# Altium PCB PCB v0.2.PcbDoc (part 1 of 2)
Units mm, origin at the board's own origin, x right, y up, seen from the top; angles counter-clockwise.
Board outline 36.5 x 36.5 mm, 8 copper layers (Top, GND Top, Signal 1, Signal 2/GND, Power, Signal 3, GND Bottom, Bottom), stack 1.211 mm thick; 151 components, 96 nets, 487 pads, 505 vias.
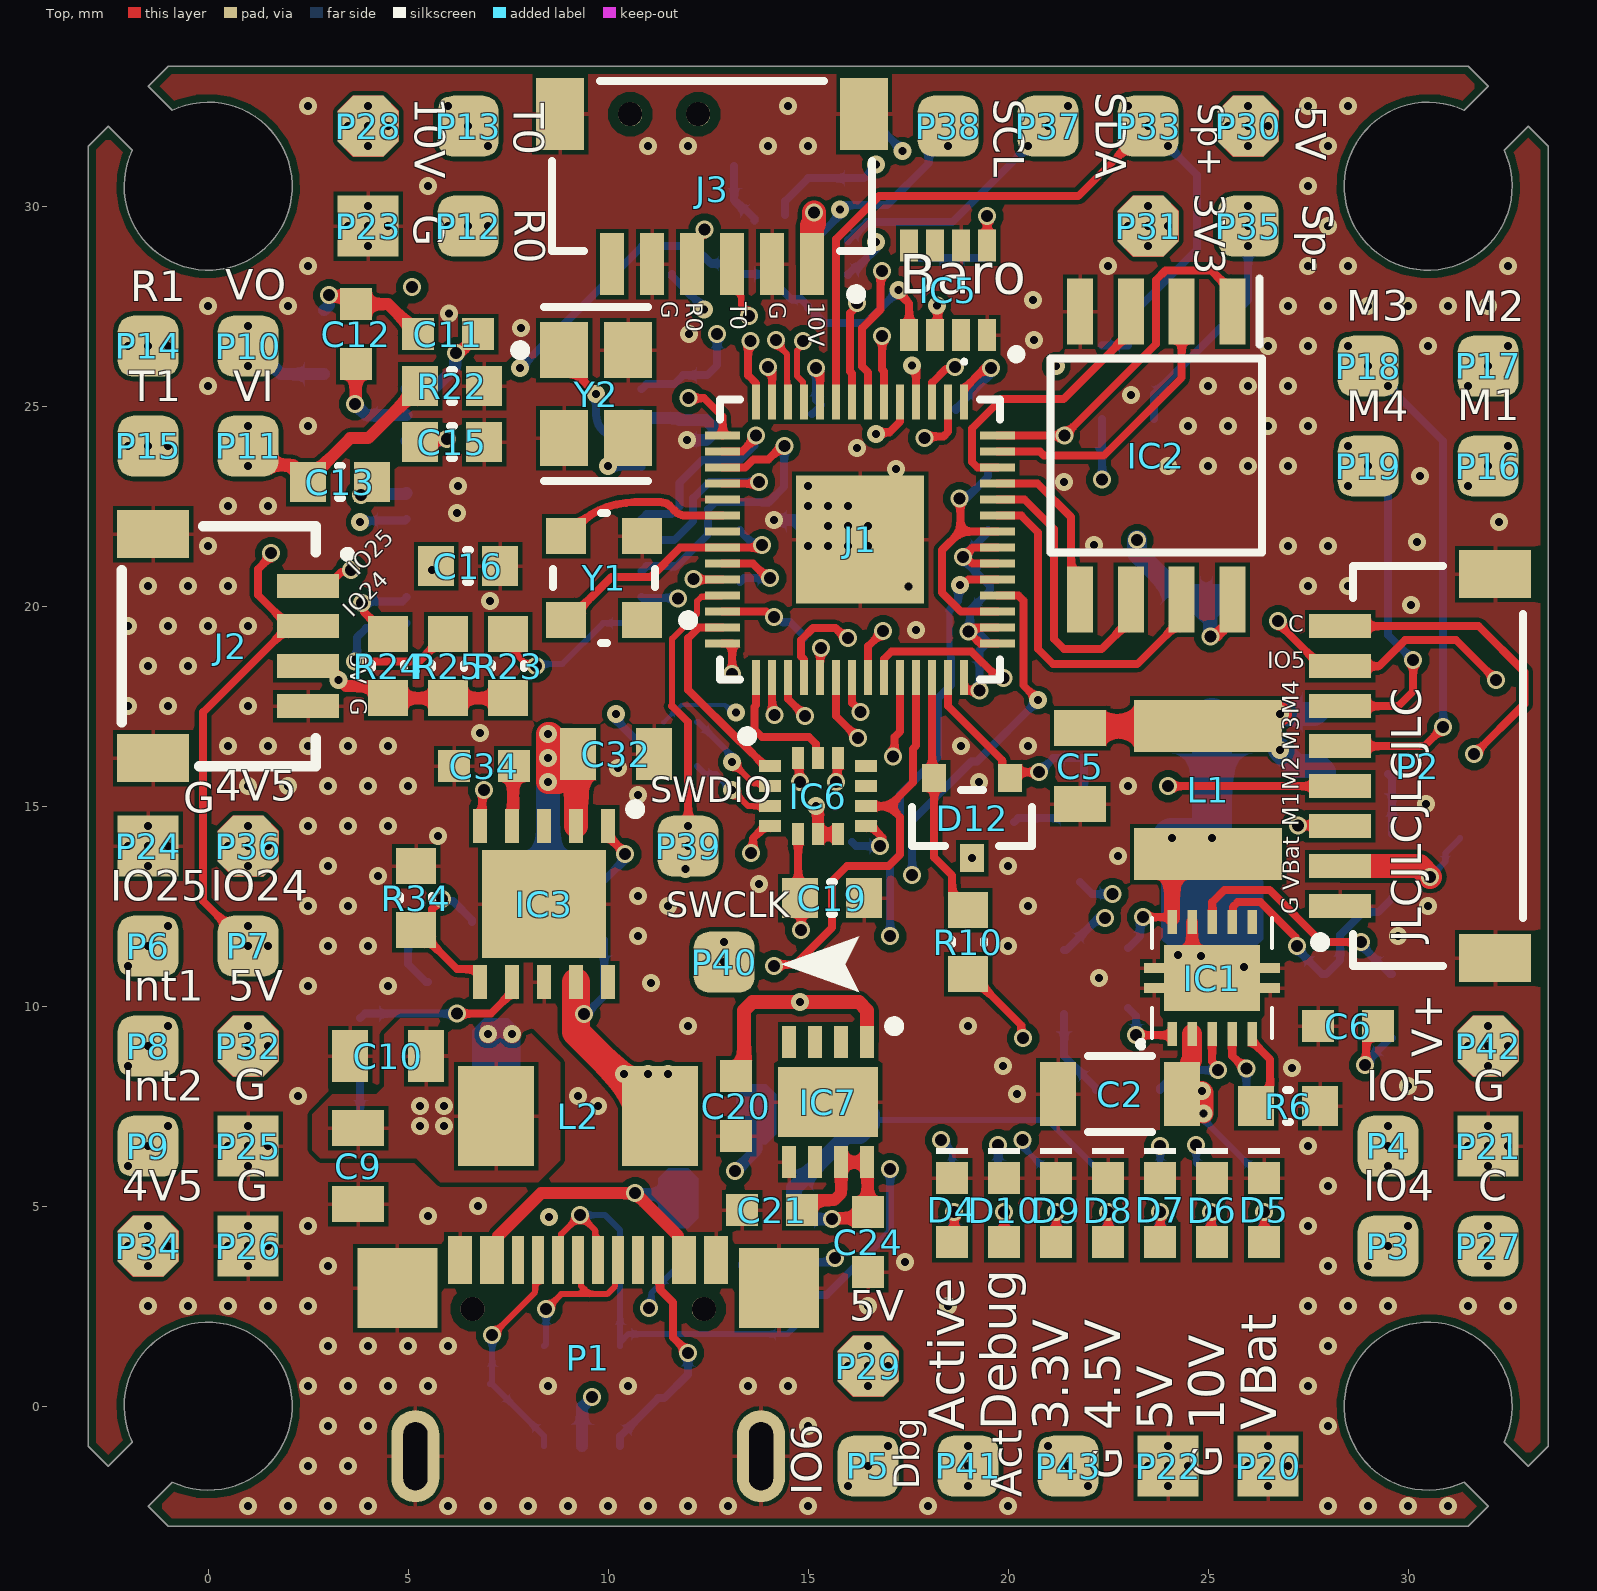
[diagram p0: Top view]
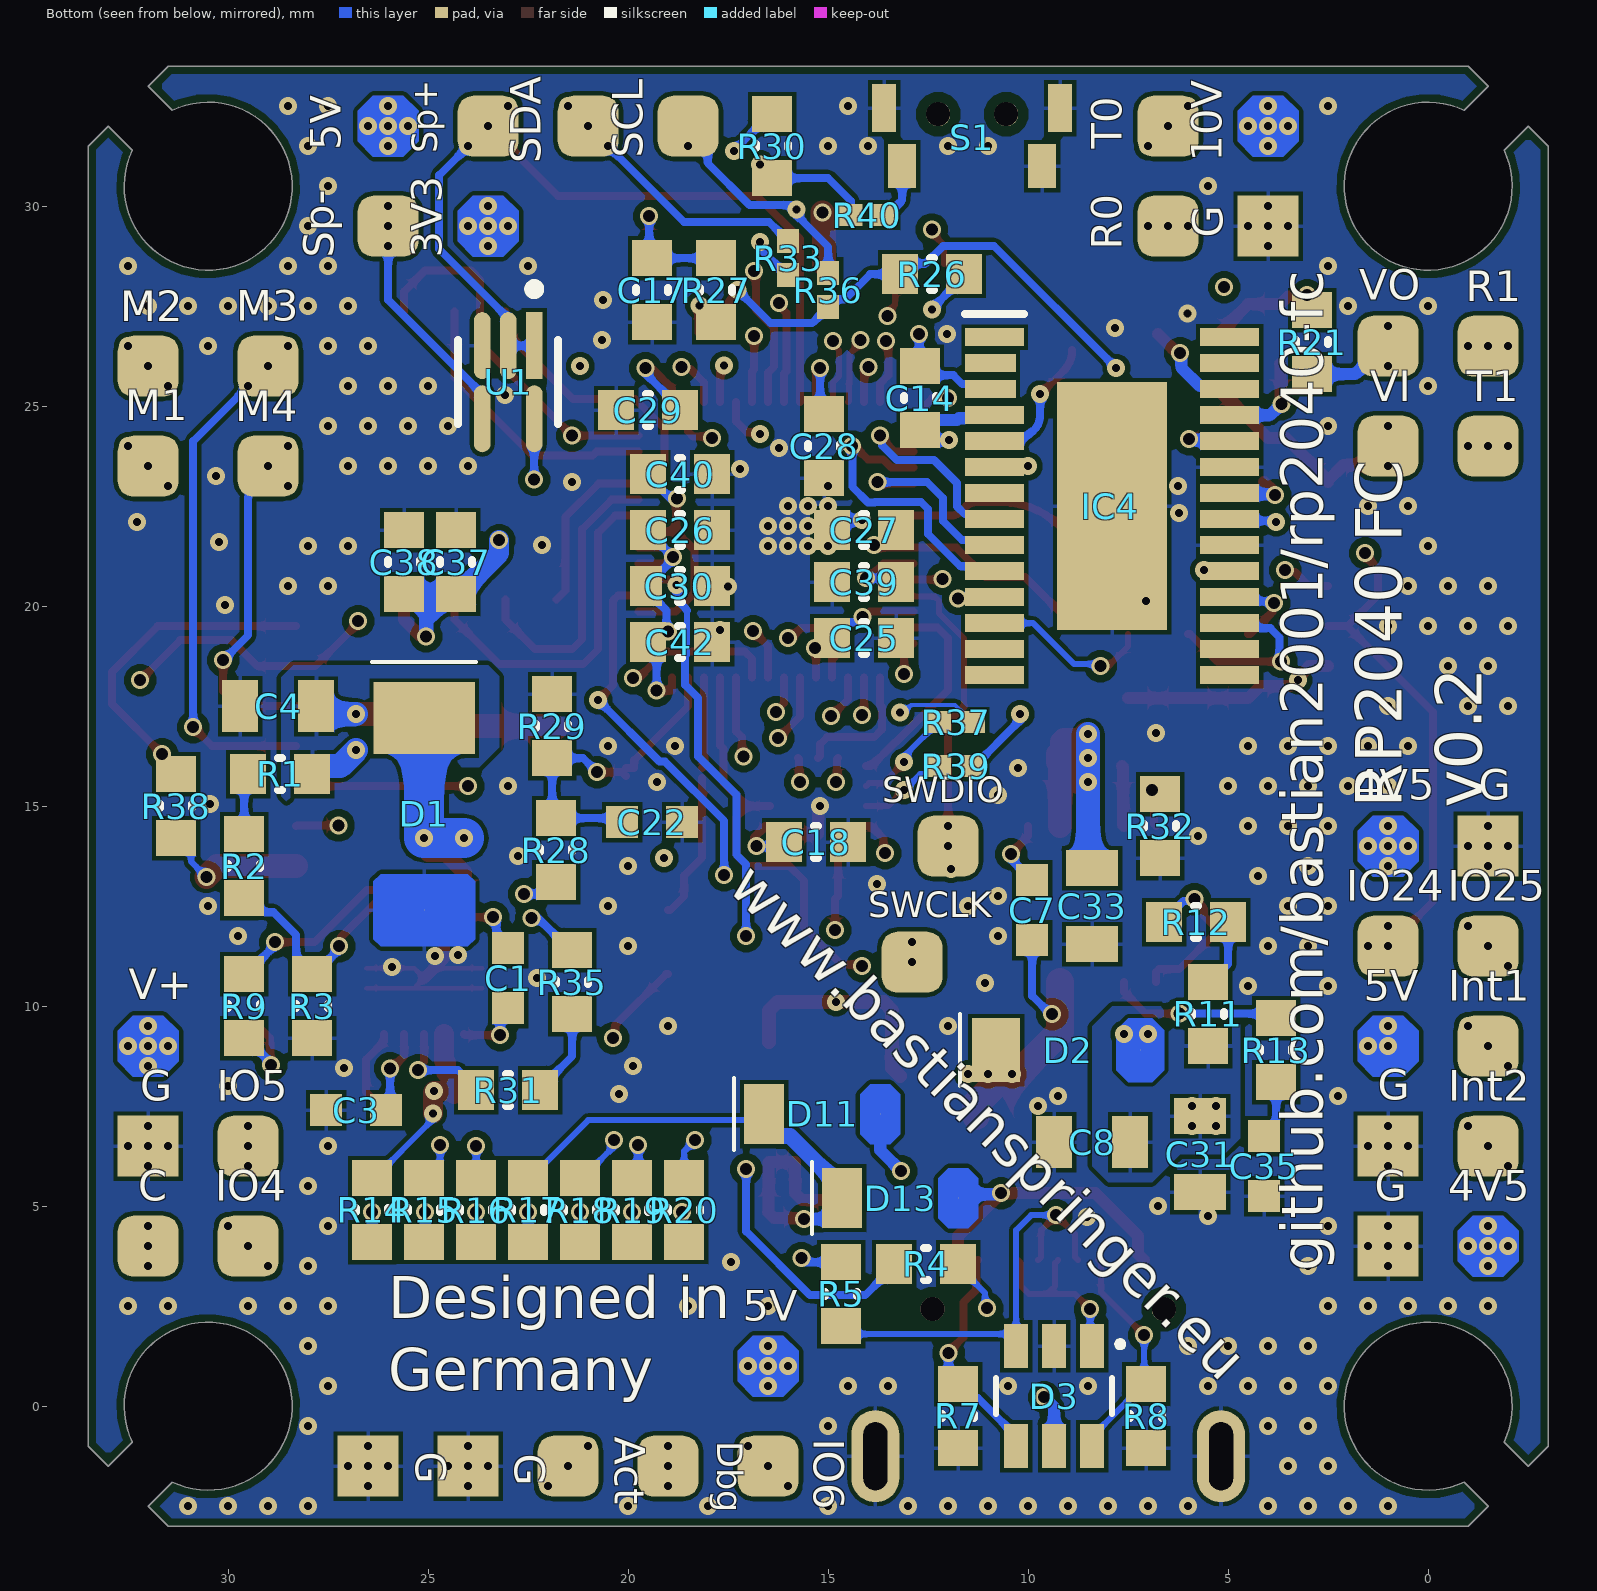
[diagram p1: Bottom view, seen from below]
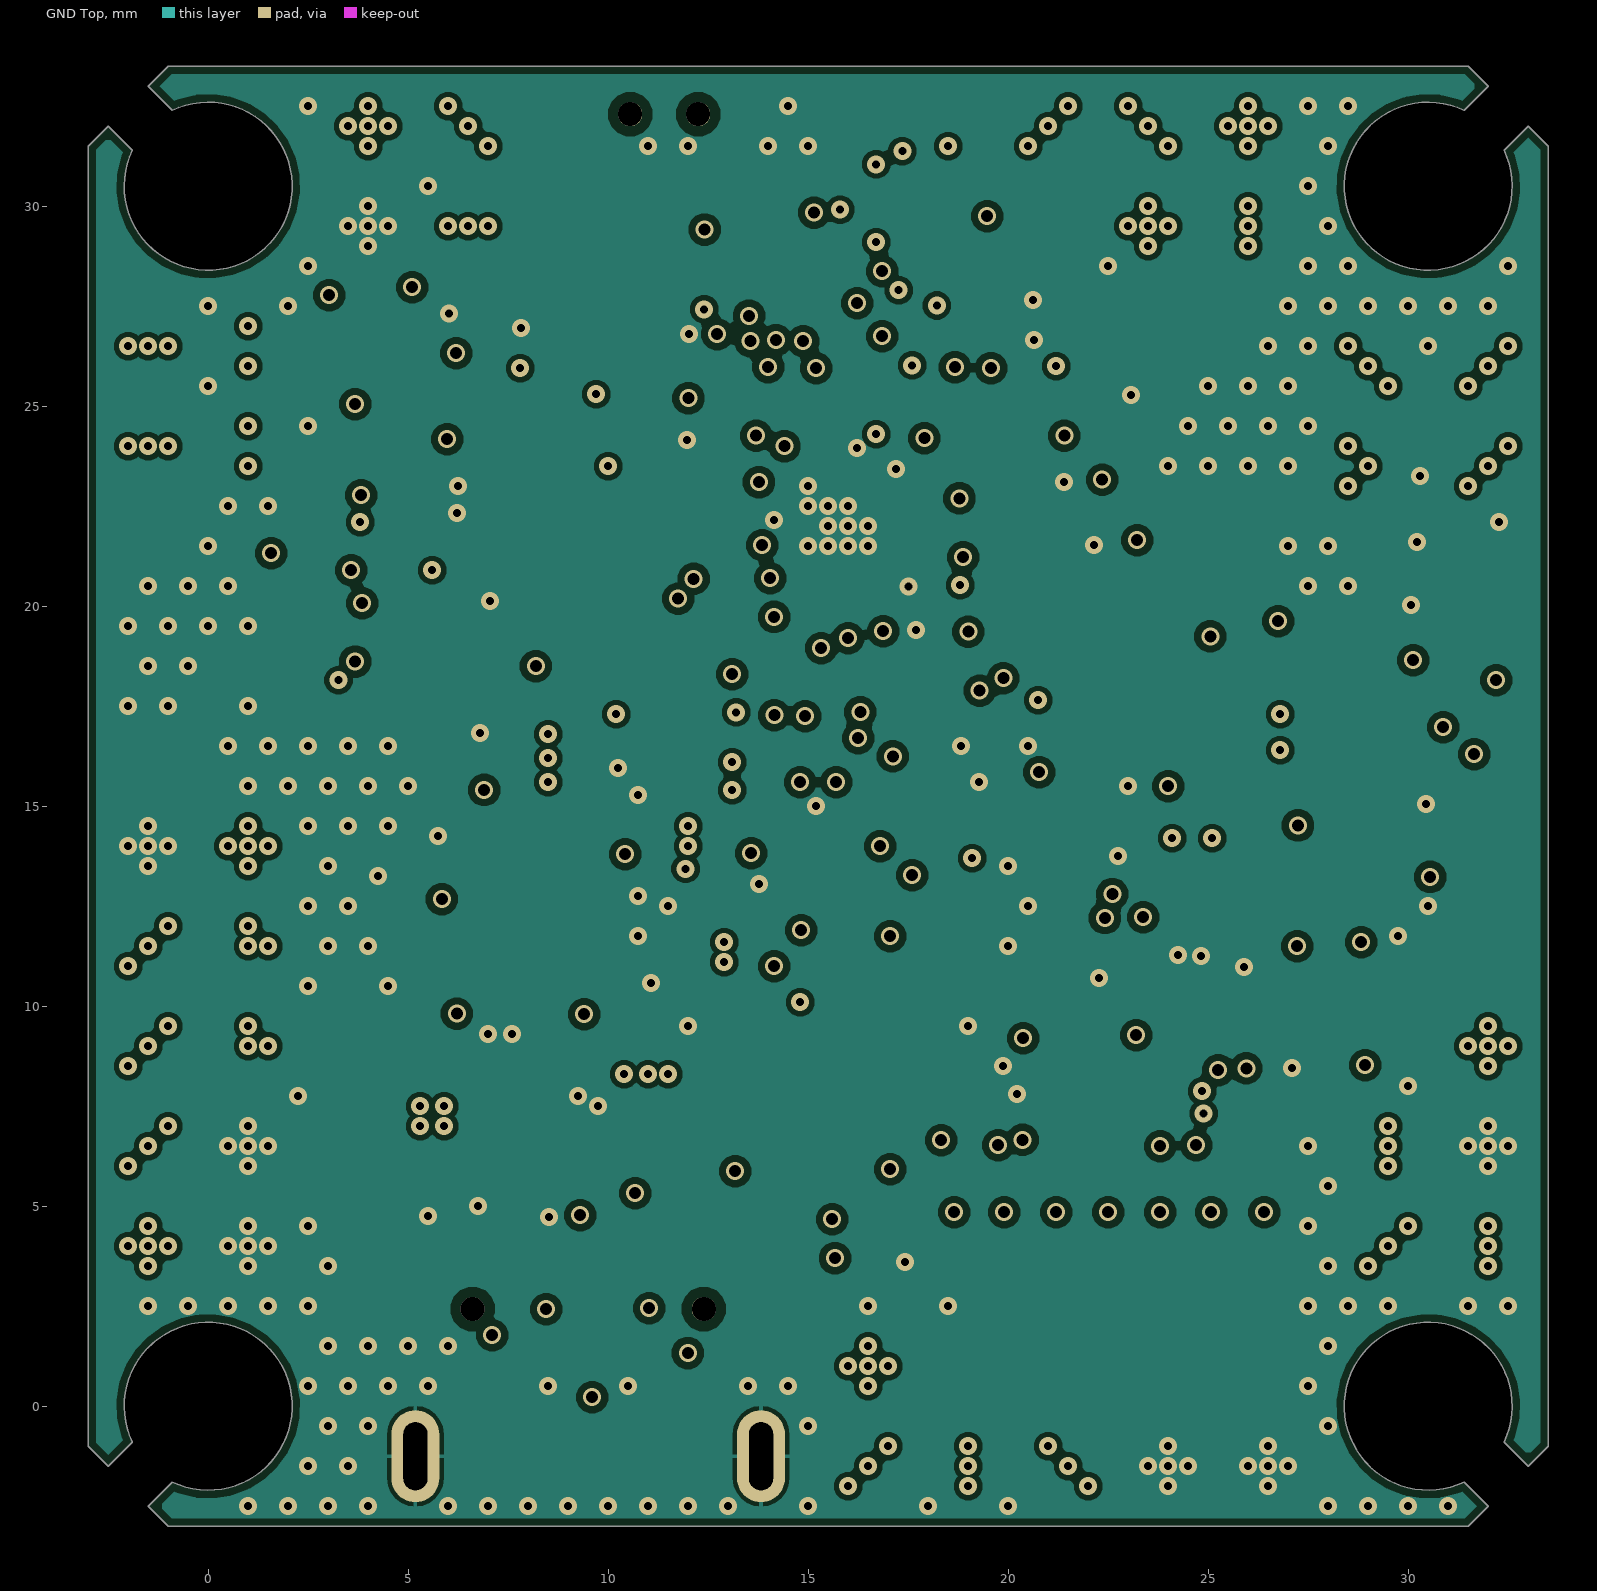
[diagram p2: GND Top]
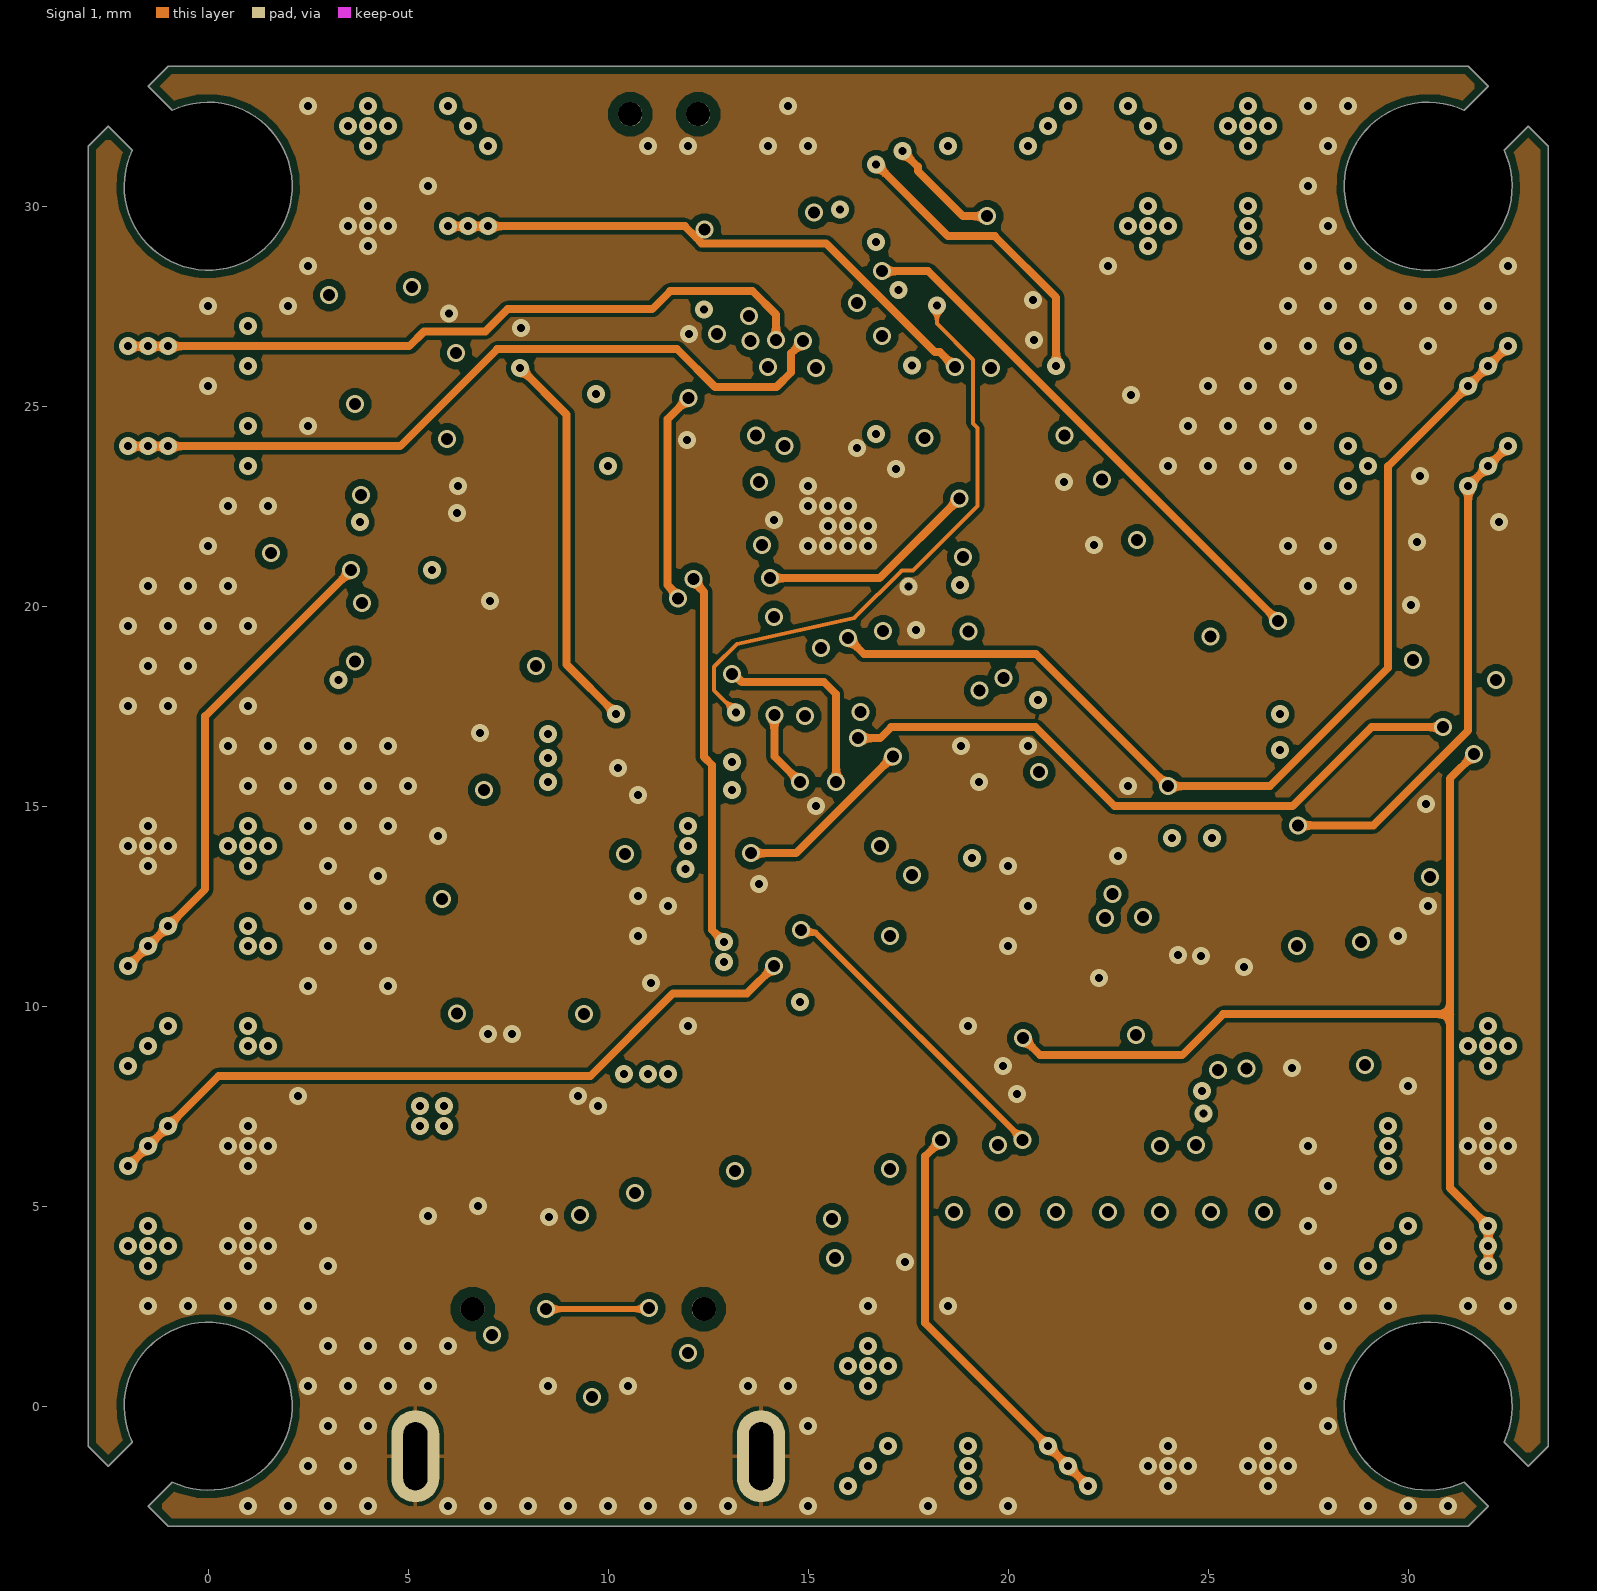
[diagram p3: Signal 1]
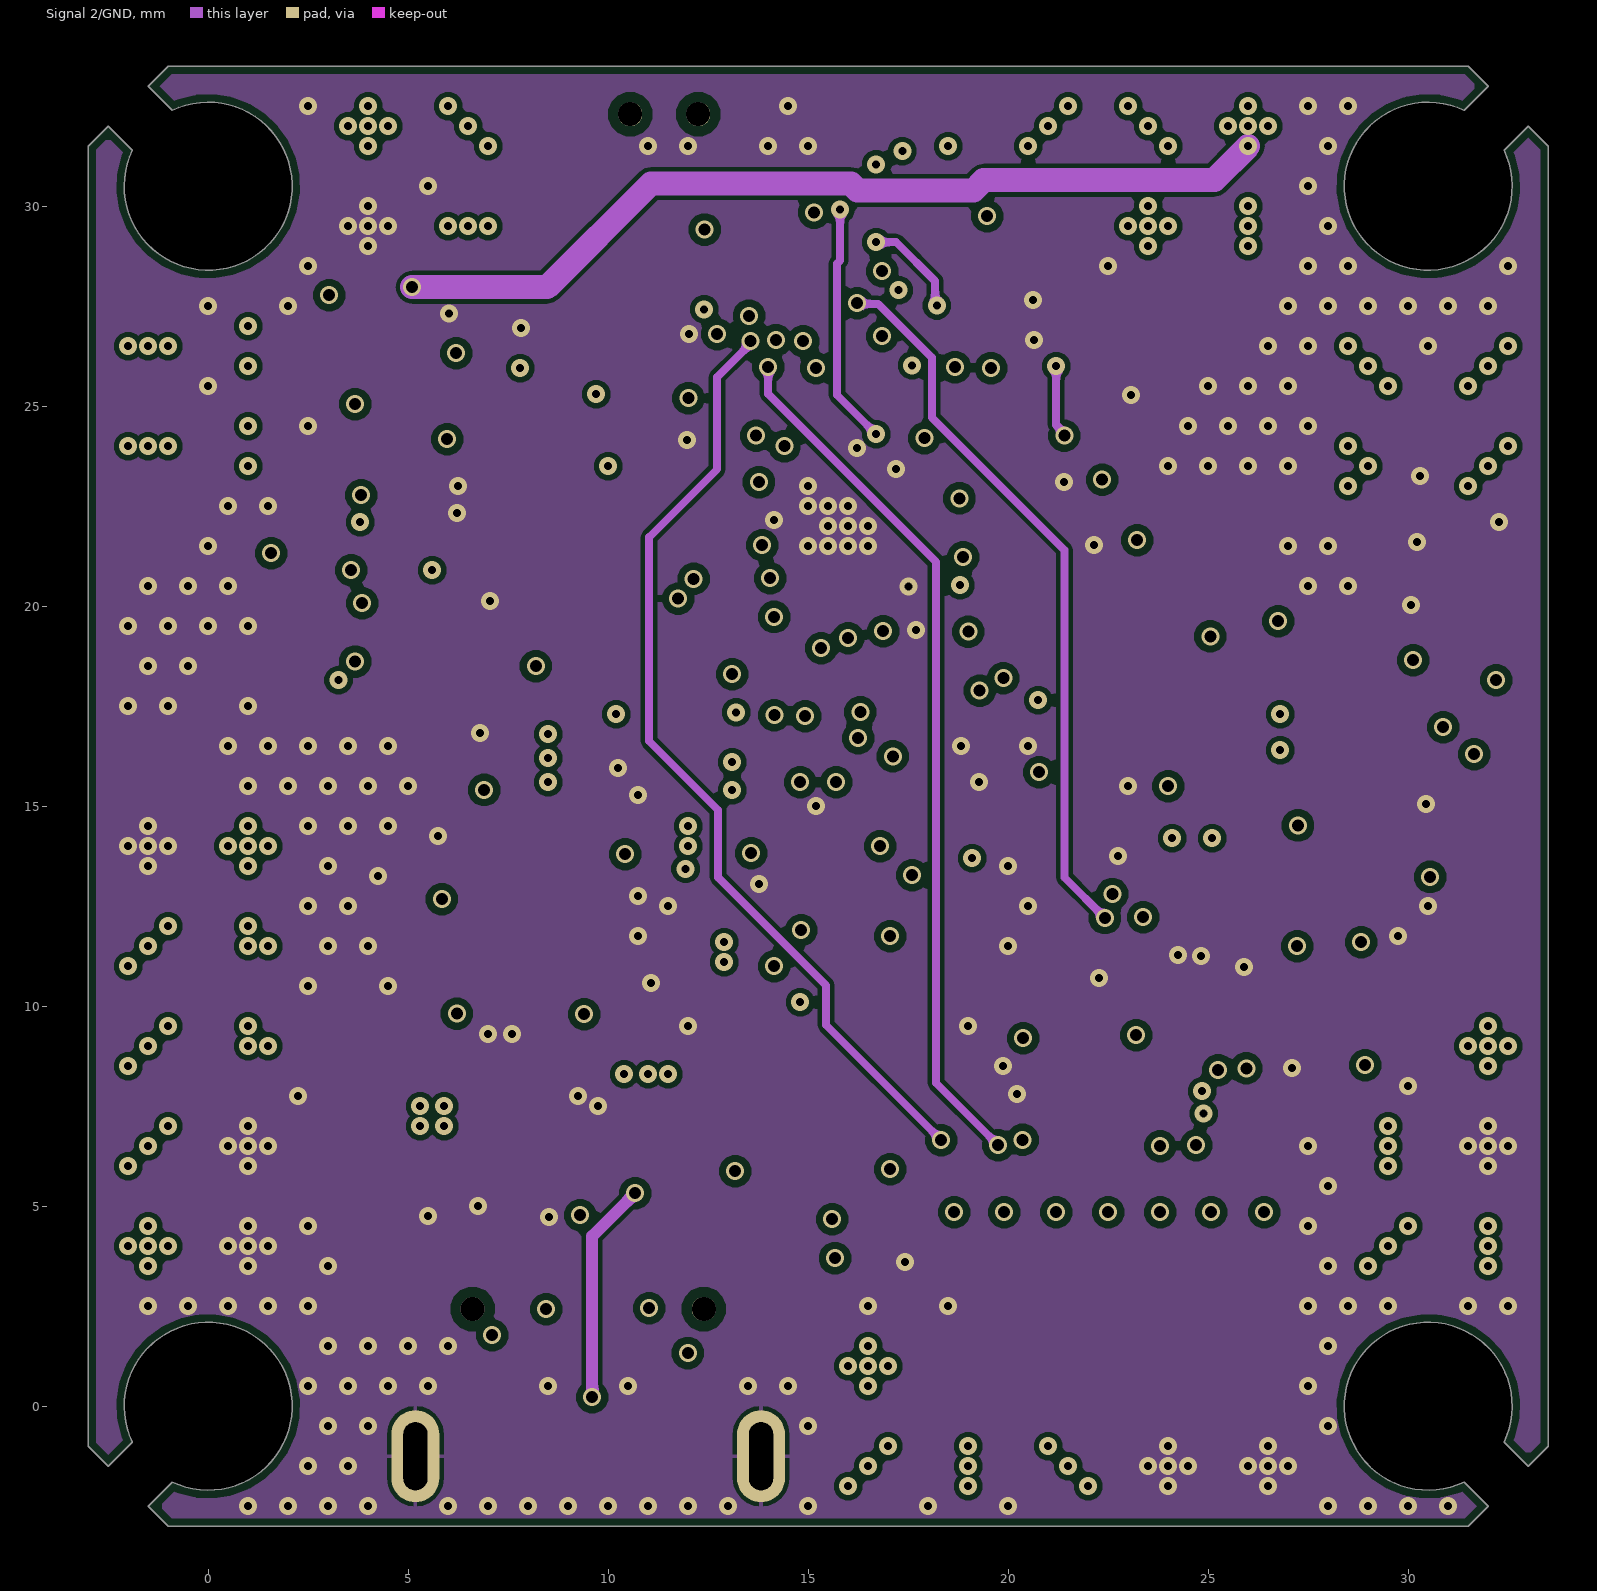
[diagram p4: Signal 2/GND]
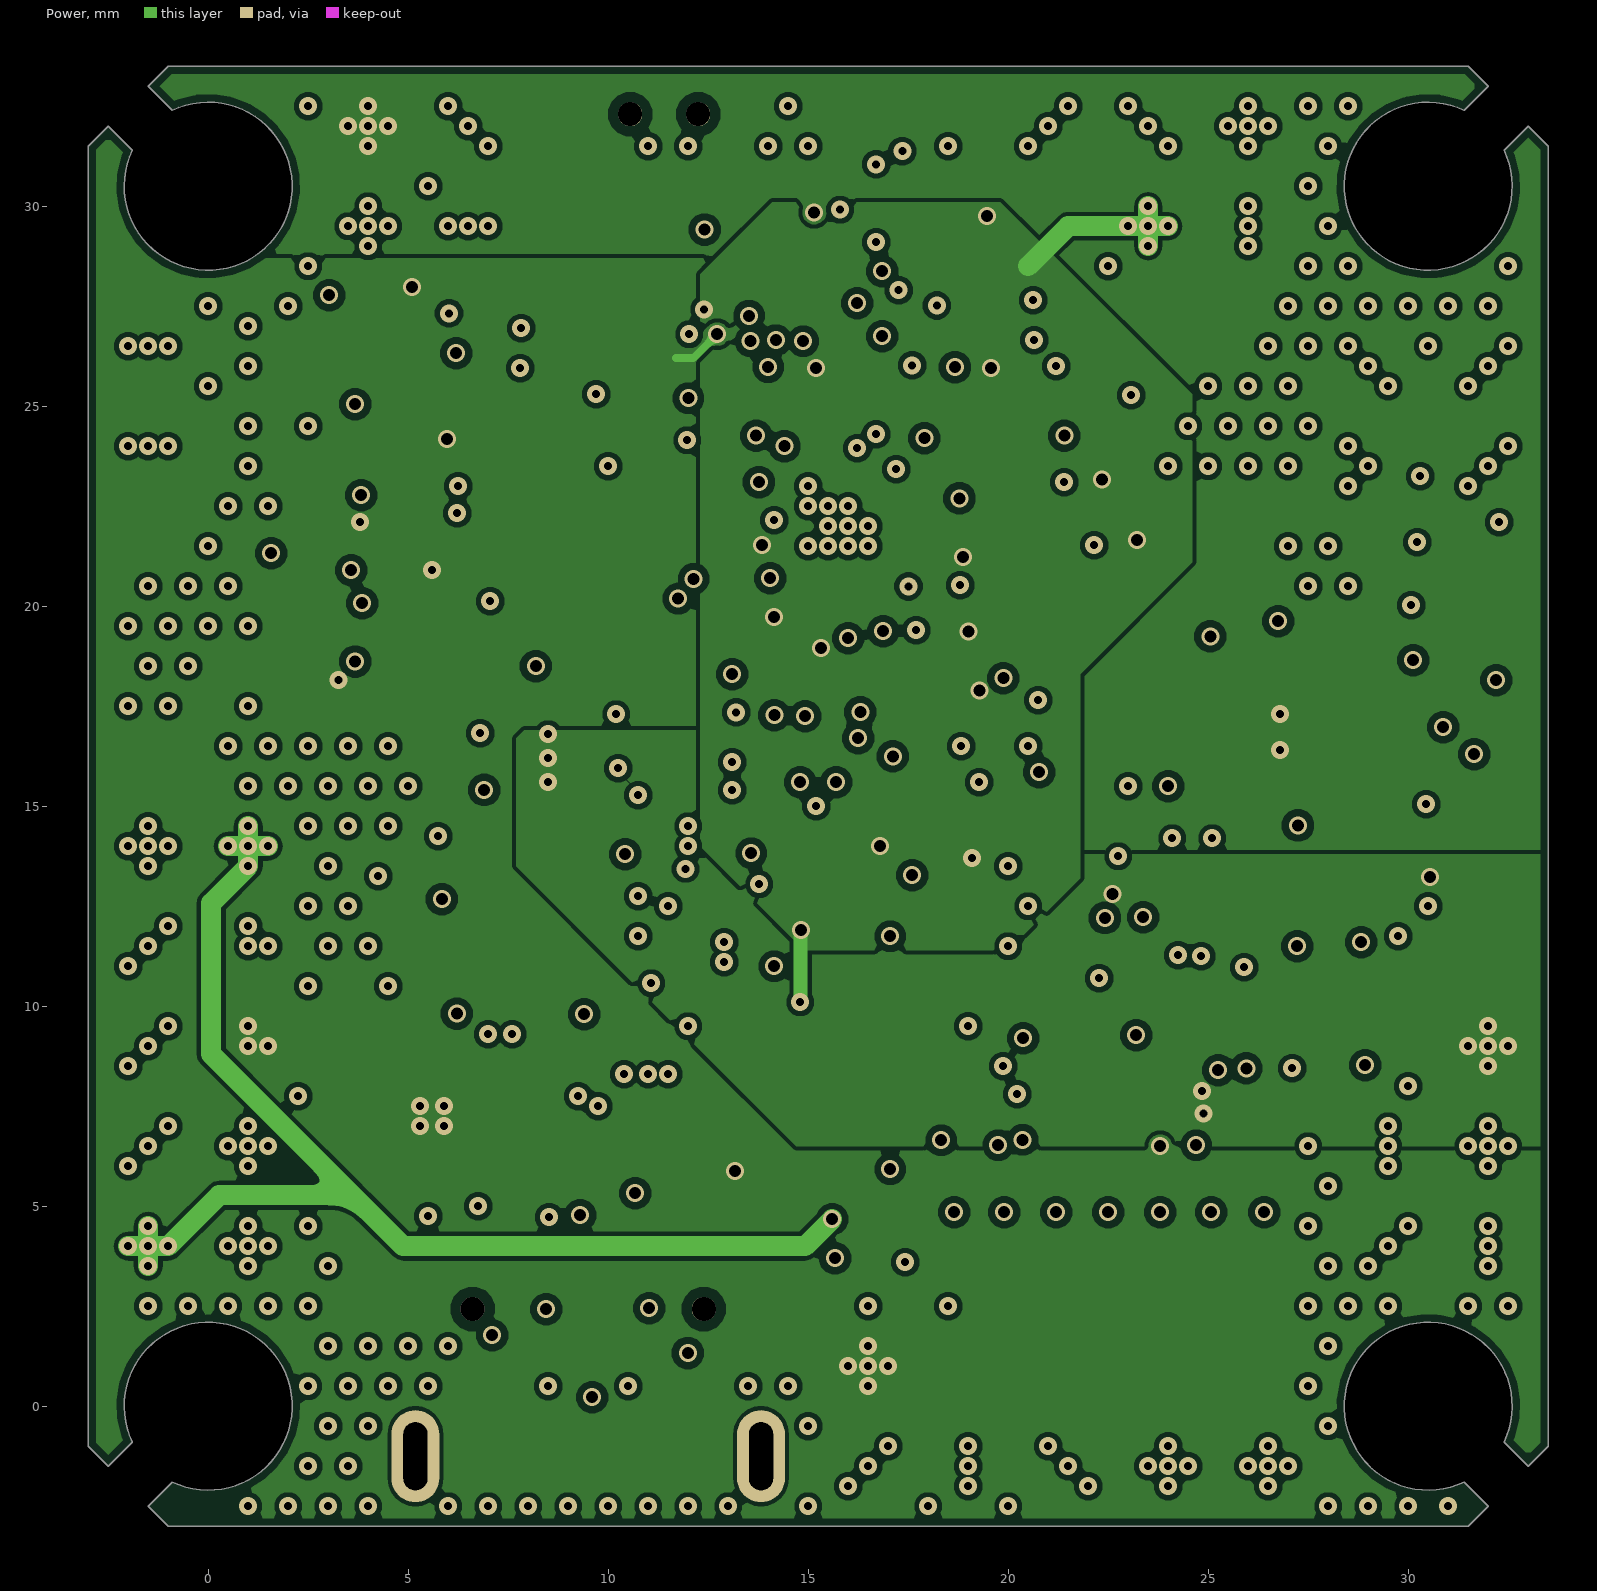
[diagram p5: Power]
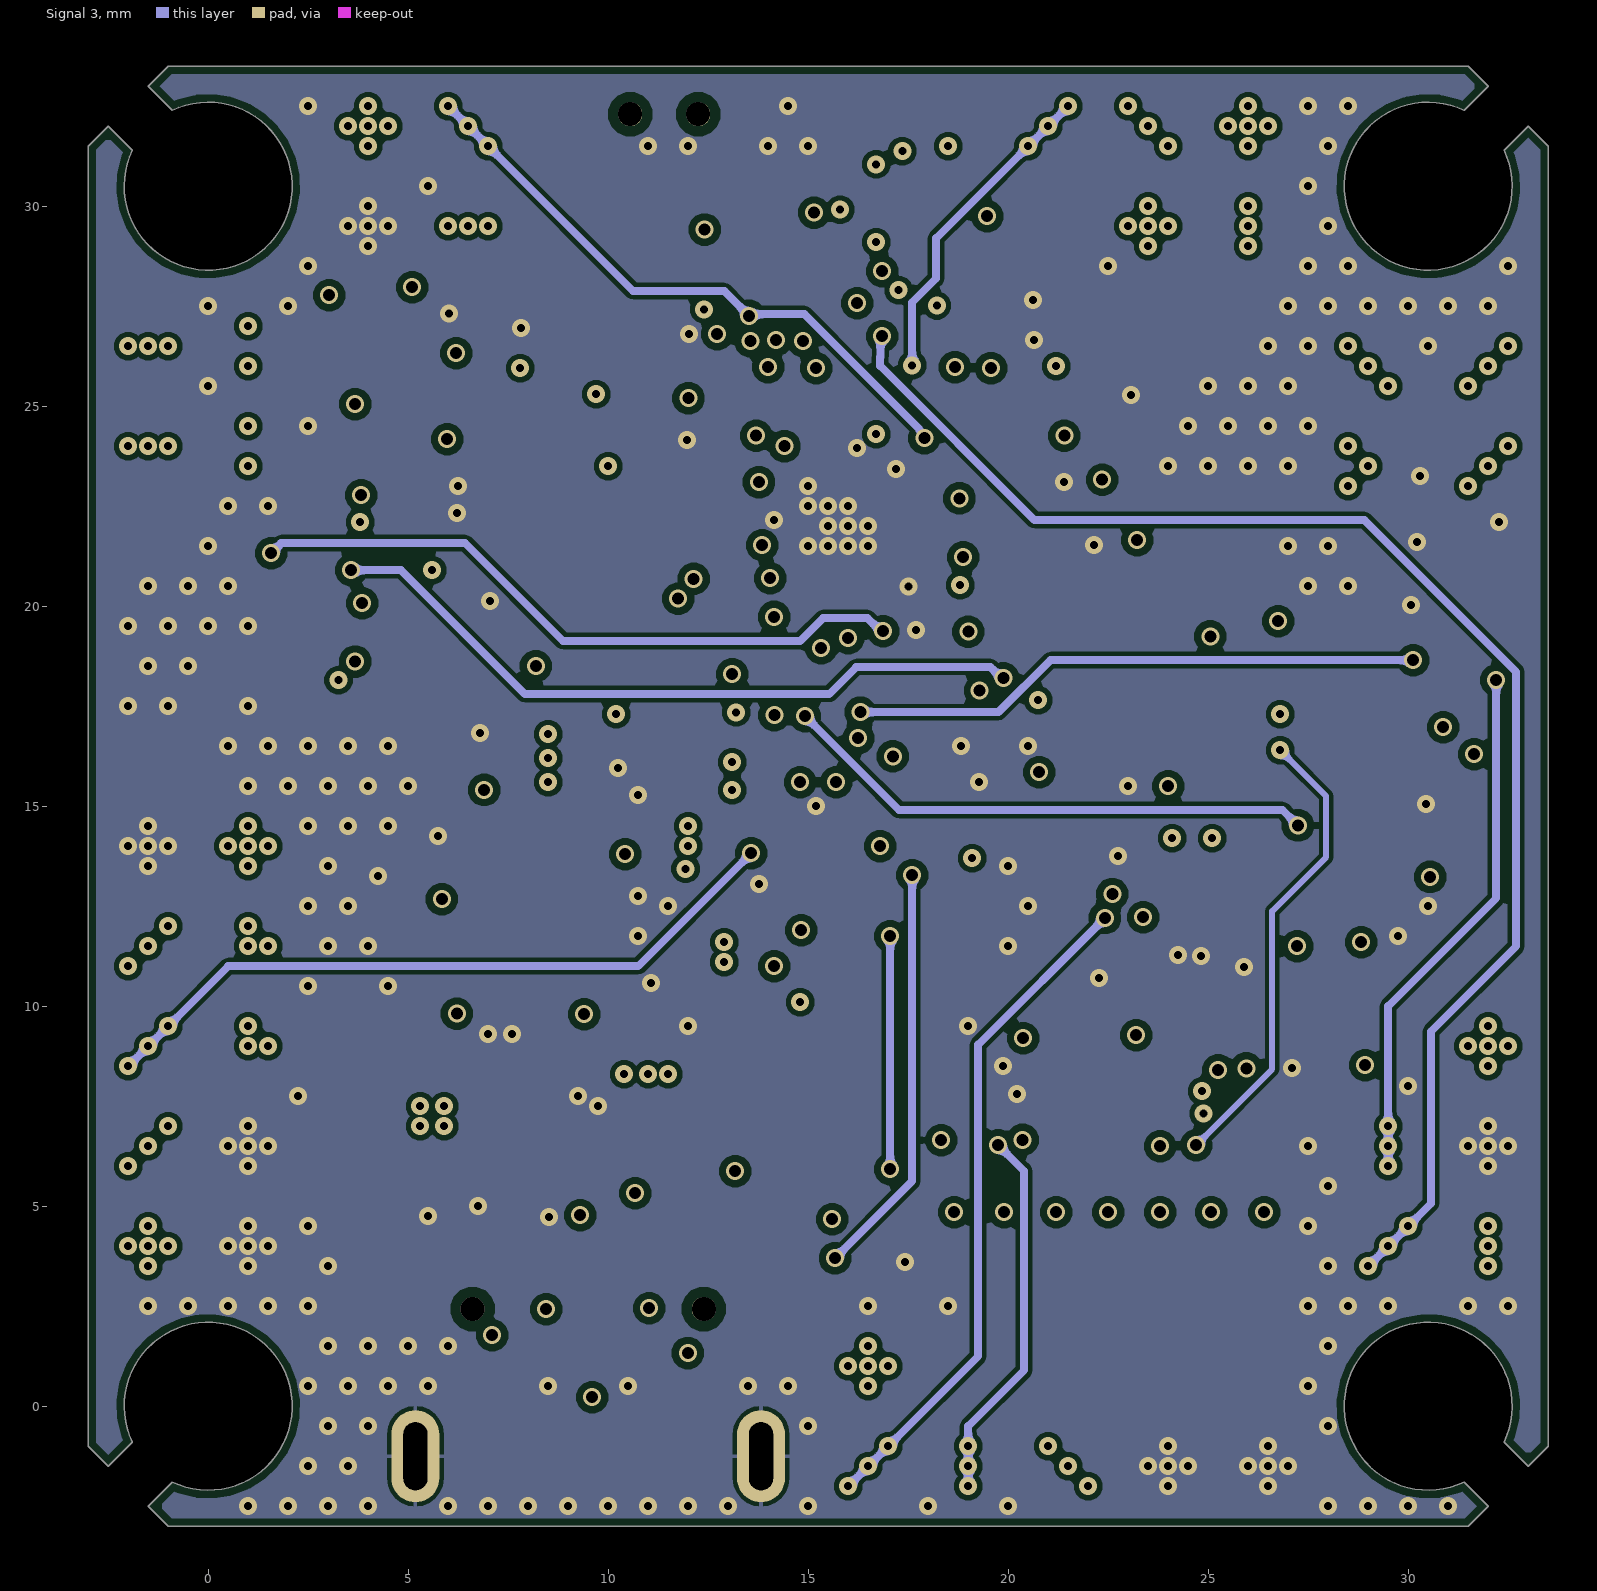
[diagram p6: Signal 3]